# Allegro board rt1064_brkout_new_mem_layout.brd
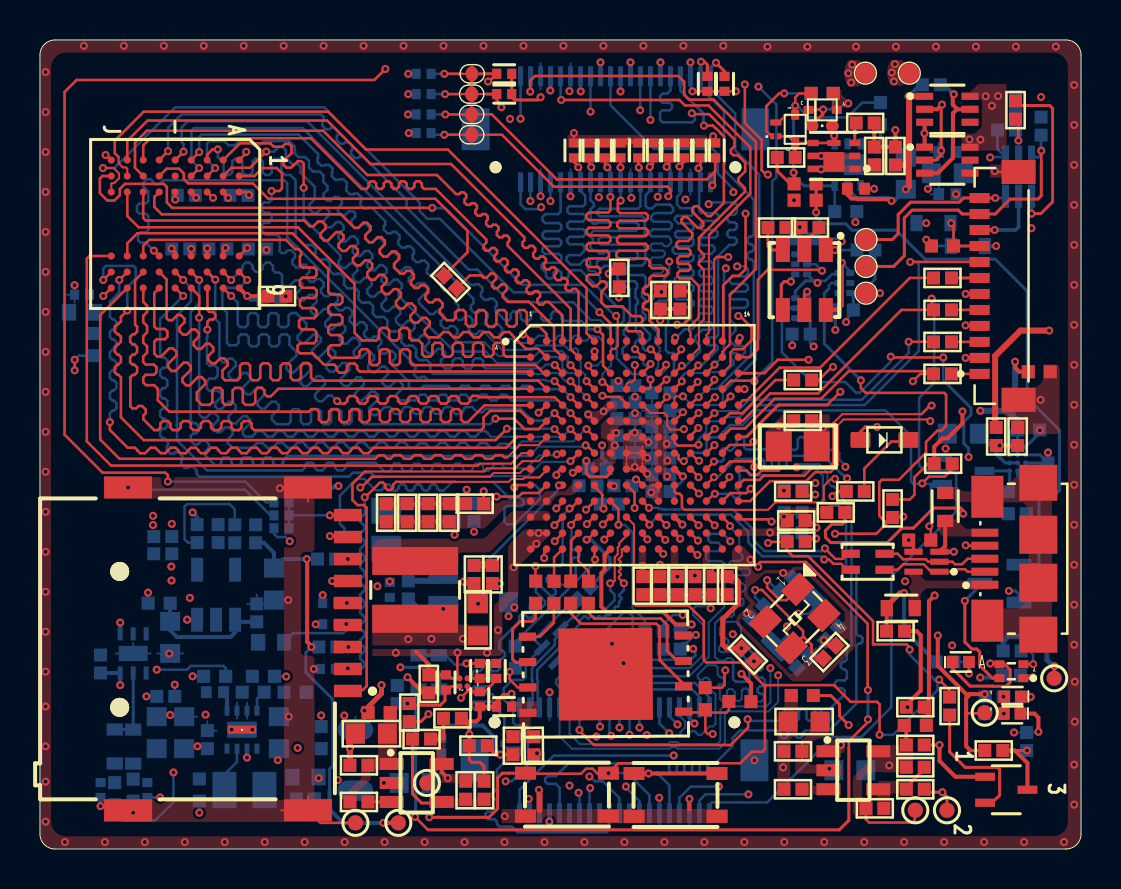
[diagram p0: board, top side]
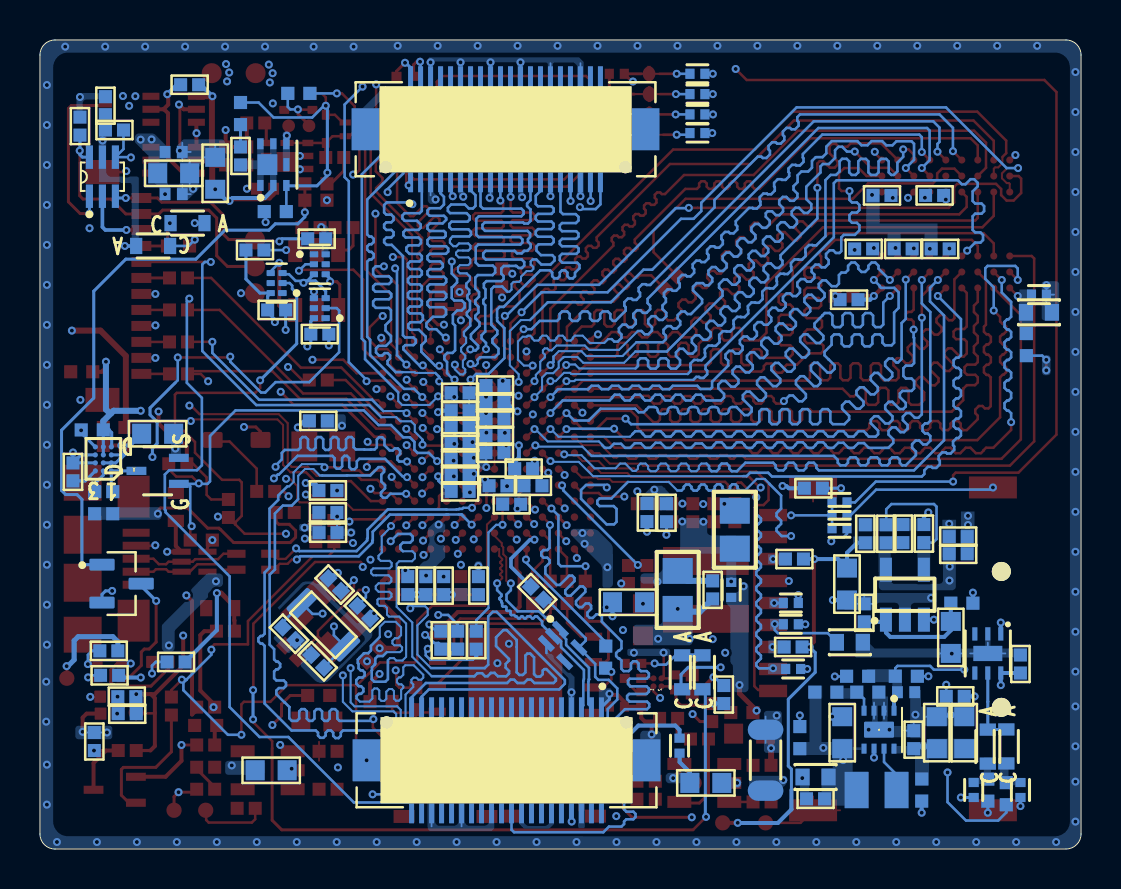
[diagram p1: board, bottom side, seen from below]

Outline 52.1 x 40.47 mm; copper layers: TOP, GND1, SIG1, POWER, GND2, BOTTOM. Coordinates in mm from the lower left corner of the outline.
Outline path: 0,39.72 0,0.75 arc(0.22,0.22) 0.75,0 51.35,0 arc(51.88,0.22) 52.1,0.75 52.1,39.72 arc(51.88,40.25) 51.35,40.47 0.75,40.47 arc(0.22,40.25) 0,39.72

## Design rules (mm)
constraint set DEFAULT: min track width 0.09
net group 3V3_REG: nets N2842860 NVCC_SD0
net group 5V_USB_OTG: nets N2544181 N30039441
net group ENET_RST: nets ENET_RST TDI
net group FLEXSPI_CLK: nets FLEXSPI_CLK N2594540
net group FLEXSPI_DATA0: nets FLEXSPI_DATA0 N2594176
net group FLEXSPI_DATA1: nets FLEXSPI_DATA1 N2594270
net group FLEXSPI_DATA2: nets FLEXSPI_DATA2 N2594358
net group FLEXSPI_DATA3: nets FLEXSPI_DATA3 N2594498
net group GPIO_AD_B0_01: nets GPIO_AD_B0_01 N2544429
net group JTAG_TCK: nets JTAG_TCK TCK
net group JTAG_TMS: nets JTAG_TMS TMS
net group SD_CD_SW: nets N3026246 SD_CD_SW
net group SDRAM_CLK: nets SDRAM_CLK SEMC_CLK
net group USB1_A: nets USB_OTG1_DN USB_OTG1_DP
net group USB1_B: nets N2544325 N2544379
net group USB_HOST: nets USB_OTG2_DN USB_OTG2_DP
net group USER_LED: nets N2841110 USER_LED
net group VSD_3V3: nets N3028636 VSD_3V3
net group 5V_EXT: nets N2840672 N2840714 N2840896 N2897276 OVR_V_CTL OVR_V_FLAG
net group DC_5V_IN: nets N2840328
net group DCDC_OUT: nets N2575129
net group ENET_INT: nets TDO
net group FLASH_VCC: nets FLEXSPI_SS0 N2593436 N2594008 NVCC_SD1
net group MG_CSI_ENET: nets GPIO_AD_B1_04 GPIO_AD_B1_05 GPIO_AD_B1_06 GPIO_AD_B1_07 GPIO_AD_B1_08 GPIO_AD_B1_09 GPIO_AD_B1_10 GPIO_AD_B1_11 GPIO_AD_B1_12 GPIO_AD_B1_13 GPIO_AD_B1_14 GPIO_AD_B1_15 GPIO_B1_14 GPIO_SD_B1_01 GPIO_SD_B1_02 GPIO_SD_B1_03 GPIO_SD_B1_04 GPIO_SD_B1_05
net group MG_LCD: nets GPIO_B0_00 GPIO_B0_01 GPIO_B0_02 GPIO_B0_03 GPIO_B0_04 GPIO_B0_05 GPIO_B0_06 GPIO_B0_07 GPIO_B0_08 GPIO_B0_09 GPIO_B0_11 GPIO_B0_12 GPIO_B0_14 GPIO_B0_15 GPIO_B1_00 GPIO_B1_01 GPIO_B1_02 GPIO_B1_03 GPIO_B1_04 GPIO_B1_05 GPIO_B1_06 GPIO_B1_07 GPIO_B1_08 GPIO_B1_09 GPIO_B1_11
net group MR: nets JTAG_NSRST MR N2574261 N2574749 N2843470 N2892984 N2893068 N28147150 POR_B SD_PWREN USER_BUTTON
net group N2842346: nets N2842438
net group PMIC_ON_REQ: nets 5V_SYS N2544493 N2840332 N2842740 N2843292 N2843384 PMIC_ON_REQ
net group SD1_CLK: nets SD1_CLK
net group WDOG_B: nets WDOG_B

## Placement (name value [footprint] x y rotation side)
C1  0.1UF  [C0402]  37.69 16.84 0 bottom
C2  0.1uF  [C0402]  41.75 34.67 90 top
C3  0.1UF  [C0402]  43.8 7.1 180 top
C5  0.1UF  [C0402]  42.8 34.67 90 top
C6  1.0UF  [C0402N]  40.83 33.03 0 top
C7  1uF  [C0402]  37.34 34.6 180 top
C8  .22uF  [C0402]  42.06 34.67 90 bottom
C9  0.1UF  [C0402]  34.38 13.18 270 top
C10  0.1UF  [C0402]  21.75 17.27 180 top
C11  10uF  [C0603]  5.84 5.82 90 bottom
C12  10uF  [C0603]  7.22 5.82 90 bottom
C13  0.1UF  [C0402]  8.37 5.47 90 bottom
C14  22UF  [0603_CC]  13.29 3.6 0 bottom
C15  0.1UF  [C0402]  13.29 2.51 0 bottom
C16  0.22uF  [C0402N]  8.75 7.85 180 bottom
C18  0.1UF  [C0402]  3.03 9.26 90 bottom
C19  1000pF  [0402_CC]  3.03 2.95 270 bottom
C20  1.0UF  [0402_CC]  5.37 2.95 90 bottom
C21  1nF  [C0402]  19.09 5.5 180 top
C22  10uF  [C0603]  16.59 5.77 180 top
C23  0.1uF  [C0402]  15.96 4.19 180 top
C24  10uF  [C0603]  18.78 3.31 180 bottom
C25  0.1uF  [C0402]  20.64 6.54 0 top
C26  390pF  [C0402]  9.75 15.77 90 bottom
C27  10uF  [C0603]  6.52 10.59 270 bottom
C28  0.1uF  [C0402]  10.85 11.81 90 bottom
C29  10uF  [C0603]  11.71 13.25 270 bottom
C30  0.1uF  [C0402]  8.92 15.78 90 bottom
C31  1.0UF  [0402_CC]  22.01 7.5 270 top
C32  1.0UF  [0402_CC]  20.32 8.34 90 top
C33  390pF  [C0402]  41.78 2.03 0 top
C34  10uF  [C0603]  38.24 6.38 0 top
C35  0.1uF  [C0402]  37.68 4.89 0 top
C36  10uF  [C0603]  40.53 3.94 180 bottom
C37  0.1uF  [C0402]  43.8 5.2 0 top
C38  1uF  [C0402]  37.84 16.43 0 top
C39  220nF  [C0402]  37.68 15.83 0 bottom
C40  220nF  [C0402]  31.07 19.55 180 bottom
C41  220nF  [C0402]  29.33 20.68 0 bottom
C42  220nF  [C0402]  31.07 21.12 180 bottom
C43  220nF  [C0402]  31.07 20.35 180 bottom
C44  220nF  [C0402]  29.33 19.83 0 bottom
C45  220nF  [C0402]  31.07 18.73 180 bottom
C46  220nF  [C0402]  38.17 21.42 0 bottom
C47  220nF  [C0402]  13.39 18.05 180 bottom
C48  220nF  [C0402]  21.72 16.83 270 bottom
C49  4.7uF  [C0402]  38.17 21.42 0 top
C50  22uF  [C0805]  37.92 20.14 0 top
C51  4.7uF  [C0402]  33.69 13.18 270 top
C52  220nF  [C0402]  33.69 13.18 270 bottom
C53  220nF  [C0402]  30.17 13.18 270 top
C54  4.7uF  [C0402]  30.15 13.18 270 bottom
C55  220nF  [C0402]  31.9 13.18 270 bottom
C56  4.7uF  [C0402]  31.9 13.18 270 top
C57  220nF  [C0402]  32.78 13.18 270 bottom
C58  4.7uF  [C0402]  32.77 13.18 270 top
C59  220nF  [C0402]  31.03 13.18 270 top
C60  100nF  [C0402]  49.38 5.38 90 bottom
C61  10nF  [C0402]  6.29 7.64 180 bottom
C62  220nF  [C0402]  20.48 16.82 90 top
C63  220nF  [C0402]  18.38 16.82 90 top
C64  220nF  [C0402]  19.43 16.82 90 top
C65  4.7uF  [C0402]  17.32 16.82 90 top
C66  22uF  [C0805]  17.32 15.97 90 bottom
C67  220nF  [C0402]  18.44 12.96 90 bottom
C68  10uF  [C0603]  21.92 11.47 90 top
C69  22uF  [C0805]  20.18 12.96 90 bottom
C70  4.7pF  [C0402]  35.89 11.85 225 bottom
C71  4.7pF  [C0402]  37.35 13.23 45 bottom
C72  24pF  [C0402]  39.63 10.77 225 bottom
C73  24pF  [C0402]  38.2 9.39 45 bottom
C74  220nF  [C0402]  21.72 13.73 270 top
C75  4.7uF  [C0402]  29.32 21.53 0 bottom
C76  100nF  [C0402]  29.32 23.19 0 bottom
C77  100nF  [C0402]  29.32 22.35 0 bottom
C78  4.7uF  [C0402]  31.05 27.47 90 top
C79  100nF  [C0402]  31.07 21.93 180 bottom
C80  100nF  [C0402]  31.07 17.89 180 bottom
C81  100nF  [C0402]  31.07 22.82 180 bottom
C82  4.7uF  [C0402]  27.89 19.03 0 bottom
C83  100nF  [C0402]  27.43 18.17 0 bottom
C84  4.7uF  [C0402]  37.69 17.89 0 top
C85  100nF  [C0402]  28.49 17.25 0 bottom
C86  22UF  [0603_CC]  2.11 26.85 180 bottom
C87  4.7uF  [0402_CC]  2.11 27.73 180 bottom
C88  0.1UF  [C0402]  9.96 32.7 0 bottom
C89  0.1UF  [C0402]  10.88 30.02 0 bottom
C90  0.1UF  [C0402]  11.86 27.66 0 top
C91  0.1UF  [C0402]  7.05 30.02 0 bottom
C92  0.1UF  [C0402]  7.33 32.7 180 bottom
C93  0.1UF  [C0402]  11.61 27.48 0 bottom
C94  0.1UF  [C0402]  8.9 30.02 0 bottom
C95  22UF  [0603_CC]  11.57 10.34 180 bottom
C96  4.7uF  [0402_CC]  14.52 11.24 180 bottom
C97  0.1UF  [C0402]  19.46 8.26 90 top
C99  10uF  [C0603]  46.21 20.78 180 bottom
C100  0.1UF  [C0402]  48.93 20.64 90 top
C101  4.7uF  [R0402N]  49.48 20.96 0 bottom
C106  10uF  [C0603]  22.65 12.34 180 bottom
C107  100nF  [C0402]  29.17 18.17 180 bottom
C108  1uF  [C0402]  31.19 10.45 270 bottom
C109  1uF  [C0402]  32.04 10.45 270 bottom
C110  1.0UF  [0402_CC]  23.22 7.12 180.5 top
C111  0.1UF  [C0402]  24.71 5.16 270.5 top
C112  0.1uF  [C0402]  48.82 37.19 270 bottom
C113  0.1UF  [C0402]  21.94 5.17 180 top
C115  10uF  [C0603]  11.95 5.82 90 bottom
C116  1.0UF  [C0402N]  45.41 32.76 180 bottom
C117  1.0UF  [C0402N]  45.41 34.87 180 bottom
C118  10uF  [C0603]  43.33 33.81 90 bottom
C119  47uF  [CC1206_OV]  15.79 4.44 90 bottom
C120  10uF  [C0603]  45.41 33.81 180 bottom
C121  0.1UF  [C0402]  18.48 6.83 270 top
C122  0.1uF  [C0402]  42.81 10.9 0 top
C123  4.7uF  [R0402N]  50.01 23.88 0 top
C124  100nF  [C0402]  6.15 15.63 0 bottom
C125  0.1uF  [C0402]  27.21 12.8 225 bottom
C126  0.1uF  [C0402]  38.25 30.53 0 bottom
C127  0.1uF  [C0402]  38.09 25.76 180 bottom
C128  0.1uF  [C0402]  40.25 26.97 180 bottom
D1  MM5Z10VT1G  [SODFL1608X65N]  37.79 36 90 top
D2  LED_RED-GRN  [LED_XZVGMDK53W-9]  48.61 8.89 0 top
D3  MM5Z5V1ST1G  [SODFL1608X65N]  39.14 36.98 0 top
D5  GREEN  [LEDC1005X35N_GRN]  48.67 7.62 180 top
D6  RB521S30  [SOD523]  3.74 5.13 90 bottom
D7  GREEN  [LEDC1005X35N_GRN]  48.65 6.77 180 top
D8  RB521S30  [SOD523]  4.67 5.12 90 bottom
D9  RB521S30  [SOD523]  18.94 8.84 90 bottom
D10  RB521S30  [SOD523]  19.96 8.84 90 bottom
D11  PMEG3010CEJ  [SOD_323]  42.26 20.47 0 top
D12  RB521S30  [SOD523]  46.43 30.17 0 bottom
D13  RB521S30  [SOD523]  44.71 31.31 180 bottom
D14  RED  [LEDC1005X35N_GRN]  46.07 9.36 0 top
D15  RGB  [WURTH_6PLCC_150353M153300]  38.25 28.46 270 top
FB1  FERRITE_BEAD  [R0402]  39.82 16.84 180 top
FB2  FERRITE_BEAD  [R0402]  35.42 9.73 135 top
FB3  FERRITE_BEAD  [R0402]  17.88 7.73 90 bottom
FB4  FERRITE_BEAD  [FB0402]  28.99 28.57 270 top
FB5  FERRITE_BEAD  [FB0402]  32.02 27.47 270 top
FB6  FERRITE_BEAD  [FB0402]  6.15 14.77 180 bottom
FB7  FERRITE_BEAD  [FB0402]  37.69 17.94 180 bottom
FB8  FERRITE_BEAD  [FB0402]  23.67 5.17 270 top
J1  MEM2075-00-140-01-A  [GCT_MEM2075-00-140-01-A]  3.99 10.49 270 top
J2  USB_MICROAB_RECEPTACLE  [AMPHENOL_10118192-0001LF]  47.28 14.52 90 top
J4  SM12B-SURS-TFLFSN  [JST_SM12B-SURS-TFLFSN]  47.02 28.17 90 top
J5  DF1730-40DS-05V57  [HRS_DF1730-40DS-05V57]  28.8 36.01 180 bottom
J6  DF1730-40DS-05V57  [HRS_DF1730-40DS-05V57]  28.75 4.44 0 bottom
JMP1  solder_bridge  [SOLDER_JMPX4]  21.76 35.73 180 top
L1  1uH  [INDC2016X100N]  10.23 2.95 0 bottom
L3  4.7uH  [IND_18A-101M]  18.77 12.96 270 top
L4  120 Ohm  [R0402N]  2.73 25.23 90 bottom
L5  330 OHM  [IND_1608]  43.08 12.05 180 top
L6  90OHM  [IND4_CHOKE_0805]  41.42 14.37 180 top
L7  330 OHM  [IND_1608]  45.3 17.11 270 top
L11  120 Ohm  [0402_CC]  20.09 5.17 90 bottom
L12  120 Ohm  [0402_CC]  17.51 12.96 90 bottom
Q1  FDMA530PZ  [MICROFET6_2X2_ONS]  39.73 34.67 180 top
Q2  FDMA530PZ  [MICROFET6_2X2_ONS]  40.42 34.24 90 bottom
Q3  -  [MMBT3906LP]  36.82 36 90 top
Q4  BSH111BK  [SOT95P230X110-3N]  48.01 13.28 180 bottom
Q5  2SK3018  [SOT323_3]  46.21 18.92 90 bottom
R2  0  [R0402N]  43.8 6.18 0 top
R3  1k  [R0402]  48.61 8.69 0 bottom
R4  1k  [R0402]  48.65 9.91 0 bottom
R5  3.3K  [RC0402_25]  39.14 36.18 180 top
R6  10K  [R0402N]  39.14 37.8 180 bottom
R7  100K  [R0402N]  40.32 31.89 180 bottom
R8  1k  [R0402]  41.3 36.32 0 top
R10  2K  [R0402N]  42.06 36.79 270 bottom
R11  2K  [R0402N]  39.14 37.8 0 top
R12  10K  [R0402N]  38.29 33.28 0 top
R13  100K  [R0402N]  38.29 32.46 180 top
R15  220  [R0402]  47.75 7.62 0 bottom
R17  0  [R0402N]  7.97 2.95 90 bottom
R18  100K  [R0402N]  8.74 8.64 0 bottom
R19  180K  [R0402N]  12.77 7.85 180 bottom
R21  10K  [R0402N]  11.18 8.64 0 bottom
R22  28.4K  [R0402N]  10.67 7.85 180 bottom
R23  180K  [R0402N]  14.07 5.57 90 bottom
R24  220  [R0402]  47.73 6.77 0 bottom
R25  100  [R0402N]  3.74 2.77 90 bottom
R26  1M  [R0402N]  4.67 2.95 270 bottom
R27  0  [R0402N]  16.97 6.83 0 top
R28  10k  [R0402]  15.96 2.36 0 top
R29  22.5k  [R0402]  21.3 2.94 270 top
R30  18k  [R0402]  22.22 2.94 90 top
R31  0  [R0402N]  5.96 12.3 0 bottom
R32  56.2k  [R0402]  10.79 15.77 90 bottom
R33  18k  [R0402]  7.86 15.78 90 bottom
R34  10K  [0402_CC]  22.83 8.91 90 top
R35  0  [0402_CC]  22.01 8.91 270 top
R36  0  [R0402N]  38.15 7.68 180 top
R37  10k  [R0402]  37.68 2.99 0 top
R38  56.2k  [R0402]  43.8 4.09 0 top
R39  18k  [R0402]  43.8 2.99 0 top
R40  0R50  [R0402]  20.74 16.82 270 bottom
R41  49R  [R0402]  40.8 17.89 180 top
R42  100K  [R0402]  30.26 10.45 90 bottom
R43  100K  [R0402]  37.84 15.38 180 top
R44  1K  [R0402]  45.52 7.15 90 top
R45  1.5K  [R0402]  47.73 4.93 0 top
R46  2.2M  [R0402]  39.51 9.86 45 top
R47  30K  [R0402]  22.65 13.73 270 top
R48  4.7K  [R0402]  42.67 17.04 270 top
R49  4.7K  [R0402]  45.2 19.27 0 top
R51  10K  [R0402]  38.17 23.46 0 top
R52  10K  [R0402]  14.41 10.11 0 bottom
R53  10K  [R0402]  14.34 14.51 0 bottom
R56  1K  [0402_CC]  19.2 35.82 0 bottom
R57  1K  [0402_CC]  19.2 36.75 0 bottom
R58  1K  [0402_CC]  19.2 37.77 0 bottom
R59  1K  [0402_CC]  19.2 38.78 0 bottom
R60  10K  [0402_CC]  26.72 34.95 270 top
R61  10K  [0402_CC]  27.48 34.95 270 top
R62  10K  [0402_CC]  28.28 34.95 270 top
R63  10K  [0402_CC]  29.05 34.95 270 top
R64  10K  [0402_CC]  29.94 34.95 270 top
R65  10K  [0402_CC]  30.67 34.95 270 top
R66  10K  [0402_CC]  31.48 34.95 270 top
R67  10K  [0402_CC]  32.24 34.95 270 top
R68  10K  [0402_CC]  33.05 34.95 270 top
R69  10K  [0402_CC]  33.79 34.95 270 top
R70  10K  [0402_CC]  34.25 38.28 90 top
R71  10K  [0402_CC]  33.4 38.28 90 top
R72  10K  [0402_CC]  23.23 38.78 180 top
R73  10K  [0402_CC]  23.23 37.77 180 top
R74  33R  [R0402]  20.54 28.37 135 top
R77  10K  [0402_CC]  12.08 16.05 0 bottom
R78  22R  [0402_CC]  12.08 17.34 180 bottom
R79  22R  [0402_CC]  14.52 12.31 0 bottom
R80  10K  [0402_CC]  12.08 16.69 180 bottom
R81  10K  [0402_CC]  14.41 9.01 180 bottom
R82  0  [R0402]  47.85 20.64 270 top
R83  100K  [R0402N]  49.36 17.33 90 bottom
R85  100K  [R0402N]  48.45 17.33 90 bottom
R86  100K  [R0402]  50.44 18.87 90 bottom
R87  0  [R0402N]  44.02 15.45 360 top
R97  10K  [R0402N]  35.03 7.38 179.5 top
R100  22R  [R0402N]  25.72 12.84 89.5 top
R101  22R  [R0402N]  33.29 7.52 270.5 top
R102  22R  [R0402N]  26.56 12.85 89.5 top
R103  22R  [R0402N]  27.45 12.85 89.5 top
R104  22R  [R0402N]  23.79 9.6 90.5 bottom
R105  22R  [R0402N]  24.8 12.85 269.5 top
R106  10K  [R0402N]  45.16 30.17 0 top
R107  10K  [R0402]  48.82 36.97 90 top
R108  10K  [R0402]  48.37 35.97 180 bottom
R109  100K  [R0402]  50.09 36.16 90 bottom
R110  22R  [R0402]  45.16 28.57 0 top
R111  22R  [R0402]  45.16 26.97 0 top
R112  22R  [R0402]  45.16 25.37 0 top
R113  22R  [R0402]  45.16 23.77 0 top
R114  10k  [R0402]  44.61 38.23 0 bottom
R115  450  [R0402]  45.28 9.36 0 bottom
R116  1.5K  [R0402]  41.34 29.96 180 bottom
R117  1.5K  [R0402]  38.53 31.09 180 top
R118  1.5K  [R0402]  36.88 31.09 0 top
SW1  SPST PB  [WURTH_434133025816]  31.8 2.7 180 top
SW2  SPST PB  [WURTH_434133025816]  26.37 2.72 180 top
TP1  TPAD_030  [TESTPOINT_1MM]  43.5 38.81 0 top
TP4  RX  [TESTPOINT_1MM]  41.34 29.14 0 top
TP5  TX  [TESTPOINT_1MM]  41.34 30.49 0 top
TP9  DCDC_3V3  [TPAD_030]  47.28 6.82 0 top
TP15  GND  [TESTPOINT_1MM]  41.34 27.81 0 top
TP16  GND  [TESTPOINT_1MM]  41.31 38.81 0 top
TP17  GND  [TPAD_030]  15.79 1.31 0 top
TP19  GND  [TPAD_030]  45.39 1.94 0 top
TP29  LDO_1V8  [TPAD_030]  19.36 3.31 0 top
TP30  3V3_LDO  [TPAD_030]  17.93 1.31 0 top
TP31  VLDO_3V3  [TPAD_030]  43.8 1.94 0 top
TP32  5V_SYS  [TPAD_030]  50.75 8.54 0 top
U1  TLV62084DSG  [TLV62084DSGR]  10.11 5.97 270 bottom
U2  MIC826RYMT  [TDFN-6_MCH]  4.67 9.78 270 bottom
U3  AP2127K-ADJTRG1  [SOT95P282X145-5N]  18.85 3.31 0 top
U4  AP2127K-ADJTRG1  [SOT95P282X145-5N]  8.81 12.72 90 bottom
U5  ADP194ACBZ  [CB_4_5_ADI]  21.19 8.34 180 top
U6  AP2127K-ADJTRG1  [SOT95P282X145-5N]  40.7 3.94 0 top
U7  MIMXRT1062DVJ6B  [BGA196C80P14X14_1200X1200X1]  29.75 20.21 0 top
U8  MIC803-29D3VC3-TR  [SC-70-3]  48.36 2.96 270 top
U9  IS42S16160J-6BLI  [VFBGA54_8X8]  6.77 31.27 270 top
U11  NX5P3090UK  [WLCSP12_0P4_1P38X1P68MM_SMDP]  48.93 19.52 0 bottom
U14  IS25WP064A-JKLE  [IS25WP064A-JKLE_ISI]  28.31 8.75 180.4 top
U16  SN74LVC2G17DCK3  [DCK6]  48.97 33.63 90 bottom
U17  LM66100DCKR  [DCK6_TEX]  45.41 37.01 0 top
U18  LM66100DCKR  [DCK6_TEX]  45.41 34.46 0 top
U19  TPD3E001  [DRL5]  44.36 14.37 180 top
U20  TPD3E001  [DRL5]  25.94 10.18 225 bottom
U21  SN74LVC1G07QDRYRQ1  [PSON50P145X100X60-6N]  40.25 28.31 0 bottom
U22  SN74LVC1G07QDRYRQ1  [PSON50P145X100X60-6N]  38.09 27.06 0 bottom
U23  SN74LVC1G07QDRYRQ1  [PSON50P145X100X60-6N]  38.09 29.25 180 bottom
X1  24MHz 9pF  [X4-SMD-3_2X2_5X1_0MM]  37.76 11.52 225 top
X2  32.768kHz 12.5pF  [X2_SMD_3_2X1_5MM]  37.91 11.22 225 bottom

## Library data of the parts
C1 C3 C9 C10 C113 = CAP_NP_0
C2 = CAP NP: room: Power_In
C5 C6 C116-C120 = CAP_NP_0: room: Power_In
C7 C8 = CAP_NP_0: tolerance: 20%; room: Power_In
C11-C16 C18-C20 C115 = CAP_NP_0: room: DCDC_3V3
C21-C25 = CAP NP: room: LDO_1V8
C26-C30 = CAP NP: room: LDO_3V3
C31 C32 C95-C97 C121 = CAP_NP_0: room: SD_Card
C33-C37 = CAP NP: room: LDO_SNVS
C38-C74 = CC
C75-C85 C106-C109 C124 = CC: room: MCU
C86-C94 = CAP_NP_0: room: SDRAM
C99 C100 = CAP_NP_0: room: USB_OTG1
C101 C123 = CAP_NP_0: tolerance: 20%; room: USB_OTG1
C110 C111 = CAP_NP_0: room: Flash
C112 C125 = CC: room: Connector
C122 C126-C128 = CAP NP
D1 = Zener: room: Power_In
D2 = LED_DUAL_SEP_RG
D3 = ZDIODE: room: Power_In
D5 = LED
D6 D8 = DIODE_SCHTKY: room: DCDC_3V3
D7 D14 = LED: room: DCDC_3V3
D9 D10 = DIODE_SCHTKY: room: SD_Card
D11 = D
D12 D13 = DIODE_SCHTKY: room: Connector
D15 = Wurth_150353M153300
FB1-FB8 = FERRITE_BEAD
J1 = CON8_SDCARD_DETECT: room: SD_Card
J2 = USB_MINI_AB_RECEPTACLE_4: room: USB_OTG1
J4 = SM12B-SURS-TFLFSN: room: Connector
J5 J6 = DF1730-40DS-05V57: room: Connector
JMP1 = solder_bridgex4: room: boot
L1 = IND: tolerance: 30%; room: DCDC_3V3
L3 = L
L4 = INDUCTOR_FERRITE: room: SDRAM
L5 L7 = BEAD: tolerance: 25%; room: USB_OTG1
L6 = DLW43: signal model: DLW43_IND4_CHOKE_0805_DISCRETE_90OHM; room: USB_OTG1
L11 L12 = INDUCTOR_FERRITE
Q1 Q2 = FDMA530PZ: room: Power_In
Q3 = MMBT3906LP: room: Power_In
Q4 = NMOS_2N7002BKW_3P
Q5 = 2SK3018: room: USB_OTG1
R2 R15 = RES_0
R3 R4 = RES_0: tolerance: 5%
R5-R7 R10 R11 = RES_0: tolerance: 5%; room: Power_In
R8 R114 = RESISTOR: room: Power_In
R12 R13 = RES: tolerance: 5%
R17-R19 R21-R26 R115 = RES_0: room: DCDC_3V3
R27-R30 = RESISTOR: room: LDO_1V8
R31-R33 = RESISTOR: room: LDO_3V3
R34 R77 R80 = RES_0: tolerance: 5%; room: SD_Card
R35 R81 = RES_0: room: SD_Card
R36-R39 = RESISTOR: room: LDO_SNVS
R40-R47 R116-R118 = R
R48 R49 R51-R53 = R: room: MCU
R56-R59 = RES_0: room: boot
R60-R73 = RES_0: tolerance: 5%; room: boot
R74 = R: signal model: R_R0402_DISCRETE_33R_33R; room: SDRAM
R78 R79 = RES_0: signal model: RES_0_0402_CC_DISCRETE_22R_22R; room: SD_Card
R82 R86 R87 = RES_0: room: USB_OTG1
R83 R85 = RES_0: tolerance: 5%; room: USB_OTG1
R97 = RES_0: tolerance: 5%; room: Flash
R100-R105 = RES_0: room: Flash; signal model: RES_0_0402_CC_DISCRETE_22R_22R
R106 = RES: room: Connector
R107-R113 = R: room: Connector
SW1 SW2 = SW_PB_ESW: room: button
TP1 = TestLoop: room: Power_In
TP4 TP5 = TEST POINT: room: Connector
TP9 = TEST POINT
TP15 = TEST POINT: room: LDO_SNVS
TP16 TP29-TP31 = TEST POINT: room: LDO_3V3
TP17 = TEST POINT: room: LDO_1V8
TP19 = TEST POINT: room: Power_In
TP32 = TEST POINT: room: DCDC_3V3
U1 = TLV62084DSGR: room: DCDC_3V3
U2 = MIC826SYMT-TR_4: room: DCDC_3V3
U3 = AP2127K-ADJTRG1: room: LDO_1V8
U4 = AP2127K-ADJTRG1: room: LDO_3V3
U5 = ADP172_CSP_4P: room: SD_Card
U6 = AP2127K-ADJTRG1: room: LDO_SNVS
U7 = MIMXRT1062_BGA-196
U8 = MIC803_0
U9 = SDRAM_BGA54: room: SDRAM
U11 = NX5P3090UK_WLCSP12: room: USB_OTG1
U14 = 25WP_1: room: Flash
U16 = SN74LVC2G17DCK3: room: Connector
U17 U18 = LM66100DCKR: room: Power_In
U19 U20 = TPD3E001DRLR
U21-U23 = SN74LVC1G07
X1 = XTAL_0
X2 = XTAL_2P

## Footprints (pads in the part's own frame, mm; a bottom-side part is the same pattern mirrored in y, then rotated)
0402_CC
  rect 0.457x0.508 smd: 1(-0.375,0) 2(0.375,0)
0603_CC
  rect 0.711x0.838 smd: 1(-0.65,0) 2(0.65,0)
AMPHENOL_10118192-0001LF
  rect 0.4x1.35 smd: 1(-1.3,0) 2(-0.65,0) 3(0,0) 4(0.65,0) 5(1.3,0)
  rect 2.1x1.6 smd: SH1(-3.1,-0.125) SH2(3.1,-0.125)
  rect 1.8x1.9 smd: SH3(-3.8,-2.675) SH6(3.8,-2.675)
  rect 1.9x1.9 smd: SH4(-1.2,-2.675) SH5(1.2,-2.675)
BGA196C80P14X14_1200X1200X1
  custom 0.37x0.37 smd: A1(-5.2,5.2) A2(-4.4,5.2) A3(-3.6,5.2) A4(-2.8,5.2) A5(-2,5.2) A6(-1.2,5.2) A7(-0.4,5.2) A8(0.4,5.2) A9(1.2,5.2) A10(2,5.2) A11(2.8,5.2) A12(3.6,5.2) A13(4.4,5.2) A14(5.2,5.2) B1(-5.2,4.4) B2(-4.4,4.4) B3(-3.6,4.4) B4(-2.8,4.4) B5(-2,4.4) B6(-1.2,4.4) B7(-0.4,4.4) B8(0.4,4.4) B9(1.2,4.4) B10(2,4.4) B11(2.8,4.4) B12(3.6,4.4) B13(4.4,4.4) B14(5.2,4.4) C1(-5.2,3.6) C2(-4.4,3.6) C3(-3.6,3.6) C4(-2.8,3.6) C5(-2,3.6) C6(-1.2,3.6) C7(-0.4,3.6) C8(0.4,3.6) C9(1.2,3.6) C10(2,3.6) C11(2.8,3.6) C12(3.6,3.6) C13(4.4,3.6) C14(5.2,3.6) D1(-5.2,2.8) D2(-4.4,2.8) D3(-3.6,2.8) D4(-2.8,2.8) D5(-2,2.8) D6(-1.2,2.8) D7(-0.4,2.8) D8(0.4,2.8) D9(1.2,2.8) D10(2,2.8) D11(2.8,2.8) D12(3.6,2.8) D13(4.4,2.8) D14(5.2,2.8) E1(-5.2,2) E2(-4.4,2) E3(-3.6,2) E4(-2.8,2) E5(-2,2) E6(-1.2,2) E7(-0.4,2) E8(0.4,2) E9(1.2,2) E10(2,2) E11(2.8,2) E12(3.6,2) E13(4.4,2) E14(5.2,2) F1(-5.2,1.2) F2(-4.4,1.2) F3(-3.6,1.2) F4(-2.8,1.2) F5(-2,1.2) F6(-1.2,1.2) F7(-0.4,1.2) F8(0.4,1.2) F9(1.2,1.2) F10(2,1.2) F11(2.8,1.2) F12(3.6,1.2) F13(4.4,1.2) F14(5.2,1.2) G1(-5.2,0.4) G2(-4.4,0.4) G3(-3.6,0.4) G4(-2.8,0.4) G5(-2,0.4) G6(-1.2,0.4) G7(-0.4,0.4) G8(0.4,0.4) G9(1.2,0.4) G10(2,0.4) G11(2.8,0.4) G12(3.6,0.4) G13(4.4,0.4) G14(5.2,0.4) H1(-5.2,-0.4) H2(-4.4,-0.4) H3(-3.6,-0.4) H4(-2.8,-0.4) H5(-2,-0.4) H6(-1.2,-0.4) H7(-0.4,-0.4) H8(0.4,-0.4) H9(1.2,-0.4) H10(2,-0.4) H11(2.8,-0.4) H12(3.6,-0.4) H13(4.4,-0.4) H14(5.2,-0.4) J1(-5.2,-1.2) J2(-4.4,-1.2) J3(-3.6,-1.2) J4(-2.8,-1.2) J5(-2,-1.2) J6(-1.2,-1.2) J7(-0.4,-1.2) J8(0.4,-1.2) J9(1.2,-1.2) J10(2,-1.2) J11(2.8,-1.2) J12(3.6,-1.2) J13(4.4,-1.2) J14(5.2,-1.2) K1(-5.2,-2) K2(-4.4,-2) K3(-3.6,-2) K4(-2.8,-2) K5(-2,-2) K6(-1.2,-2) K7(-0.4,-2) K8(0.4,-2) K9(1.2,-2) K10(2,-2) K11(2.8,-2) K12(3.6,-2) K13(4.4,-2) K14(5.2,-2) L1(-5.2,-2.8) L2(-4.4,-2.8) L3(-3.6,-2.8) L4(-2.8,-2.8) L5(-2,-2.8) L6(-1.2,-2.8) L7(-0.4,-2.8) L8(0.4,-2.8) L9(1.2,-2.8) L10(2,-2.8) L11(2.8,-2.8) L12(3.6,-2.8) L13(4.4,-2.8) L14(5.2,-2.8) M1(-5.2,-3.6) M2(-4.4,-3.6) M3(-3.6,-3.6) M4(-2.8,-3.6) M5(-2,-3.6) M6(-1.2,-3.6) M7(-0.4,-3.6) M8(0.4,-3.6) M9(1.2,-3.6) M10(2,-3.6) M11(2.8,-3.6) M12(3.6,-3.6) M13(4.4,-3.6) M14(5.2,-3.6) N1(-5.2,-4.4) N2(-4.4,-4.4) N3(-3.6,-4.4) N4(-2.8,-4.4) N5(-2,-4.4) N6(-1.2,-4.4) N7(-0.4,-4.4) N8(0.4,-4.4) N9(1.2,-4.4) N10(2,-4.4) N11(2.8,-4.4) N12(3.6,-4.4) N13(4.4,-4.4) N14(5.2,-4.4) P1(-5.2,-5.2) P2(-4.4,-5.2) P3(-3.6,-5.2) P4(-2.8,-5.2) P5(-2,-5.2) P6(-1.2,-5.2) P7(-0.4,-5.2) P8(0.4,-5.2) P9(1.2,-5.2) P10(2,-5.2) P11(2.8,-5.2) P12(3.6,-5.2) P13(4.4,-5.2) P14(5.2,-5.2)
C0402
  rect 0.65x0.65 smd: 1(-0.451,0) 2(0.451,0)
C0402N
  rect 0.54x0.6 smd: 1(-0.432,0) 2(0.432,0)
C0603
  rect 0.95x1.001 smd: 1(-0.8,0) 2(0.8,0)
C0805
  rect 1.295x1.499 smd: 1(-0.95,0) 2(0.95,0)
CB_4_5_ADI
  round 0.305 smd: A1(-0.2,0.2) A2(0.2,0.2) B1(-0.2,-0.2) B2(0.2,-0.2)
CC1206_OV
  oval 1.016x1.778 smd: 1(-1.524,0) 2(1.524,0)
DCK6
  rect 1.168x0.356 smd: 1(-0.978,0.65) 2(-0.978,0) 3(-0.978,-0.65) 4(0.978,-0.65) 5(0.978,0) 6(0.978,0.65)
DCK6_TEX
  rect 0.851x0.356 smd: 1(-1.137,0.65) 2(-1.137,0) 3(-1.137,-0.65) 4(1.137,-0.65) 5(1.137,0) 6(1.137,0.65)
DRL5
  rect 0.914x0.305 smd: 1(-0.648,0.5) 2(-0.648,0) 3(-0.648,-0.5) 4(0.648,-0.5) 5(0.648,0.5)
FB0402
  rect 0.65x0.65 smd: 1(-0.451,0) 2(0.451,0)
GCT_MEM2075-00-140-01-A
  round 0.95 hole 0.95 unplated: (-3.4,0) (3.4,0)
  rect 0.62x1.4 smd: 1(2.58,11.42) 2(1.48,11.42) 3(0.38,11.42) 4(-0.72,11.42) 5(-1.82,11.42) 6(-2.92,11.42) 7(-4.02,11.42) 8(-5.12,11.42) 9(-6.22,11.42)
  rect 1.1x2.4 smd: SH1(-7.6,0.42) SH2(-7.6,9.42) SH3(8.55,9.42) SH4(8.55,0.42)
HRS_DF1730-40DS-05V57
  round 0.6 hole 0.6 unplated: (-6,-1.9) (6,-1.9)
  rect 0.25x1 smd: 1(-4.75,-2.65) 2(-4.75,2.65) 3(-4.25,-2.65) 4(-4.25,2.65) 5(-3.75,-2.65) 6(-3.75,2.65) 7(-3.25,-2.65) 8(-3.25,2.65) 9(-2.75,-2.65) 10(-2.75,2.65) 11(-2.25,-2.65) 12(-2.25,2.65) 13(-1.75,-2.65) 14(-1.75,2.65) 15(-1.25,-2.65) 16(-1.25,2.65) 17(-0.75,-2.65) 18(-0.75,2.65) 19(-0.25,-2.65) 20(-0.25,2.65) 21(0.25,-2.65) 22(0.25,2.65) 23(0.75,-2.65) 24(0.75,2.65) 25(1.25,-2.65) 26(1.25,2.65) 27(1.75,-2.65) 28(1.75,2.65) 29(2.25,-2.65) 30(2.25,2.65) 31(2.75,-2.65) 32(2.75,2.65) 33(3.25,-2.65) 34(3.25,2.65) 35(3.75,-2.65) 36(3.75,2.65) 37(4.25,-2.65) 38(4.25,2.65) 39(4.75,-2.65) 40(4.75,2.65)
  rect 1.4x2.1 smd: S1(-7,0) S2(7,0)
IND4_CHOKE_0805
  rect 0.914x0.406 smd: 1(-0.85,0.4) 2(0.85,0.4) 3(0.85,-0.4) 4(-0.85,-0.4)